# Altium PCB pcb.PcbDoc (part 1 of 4) (continued)
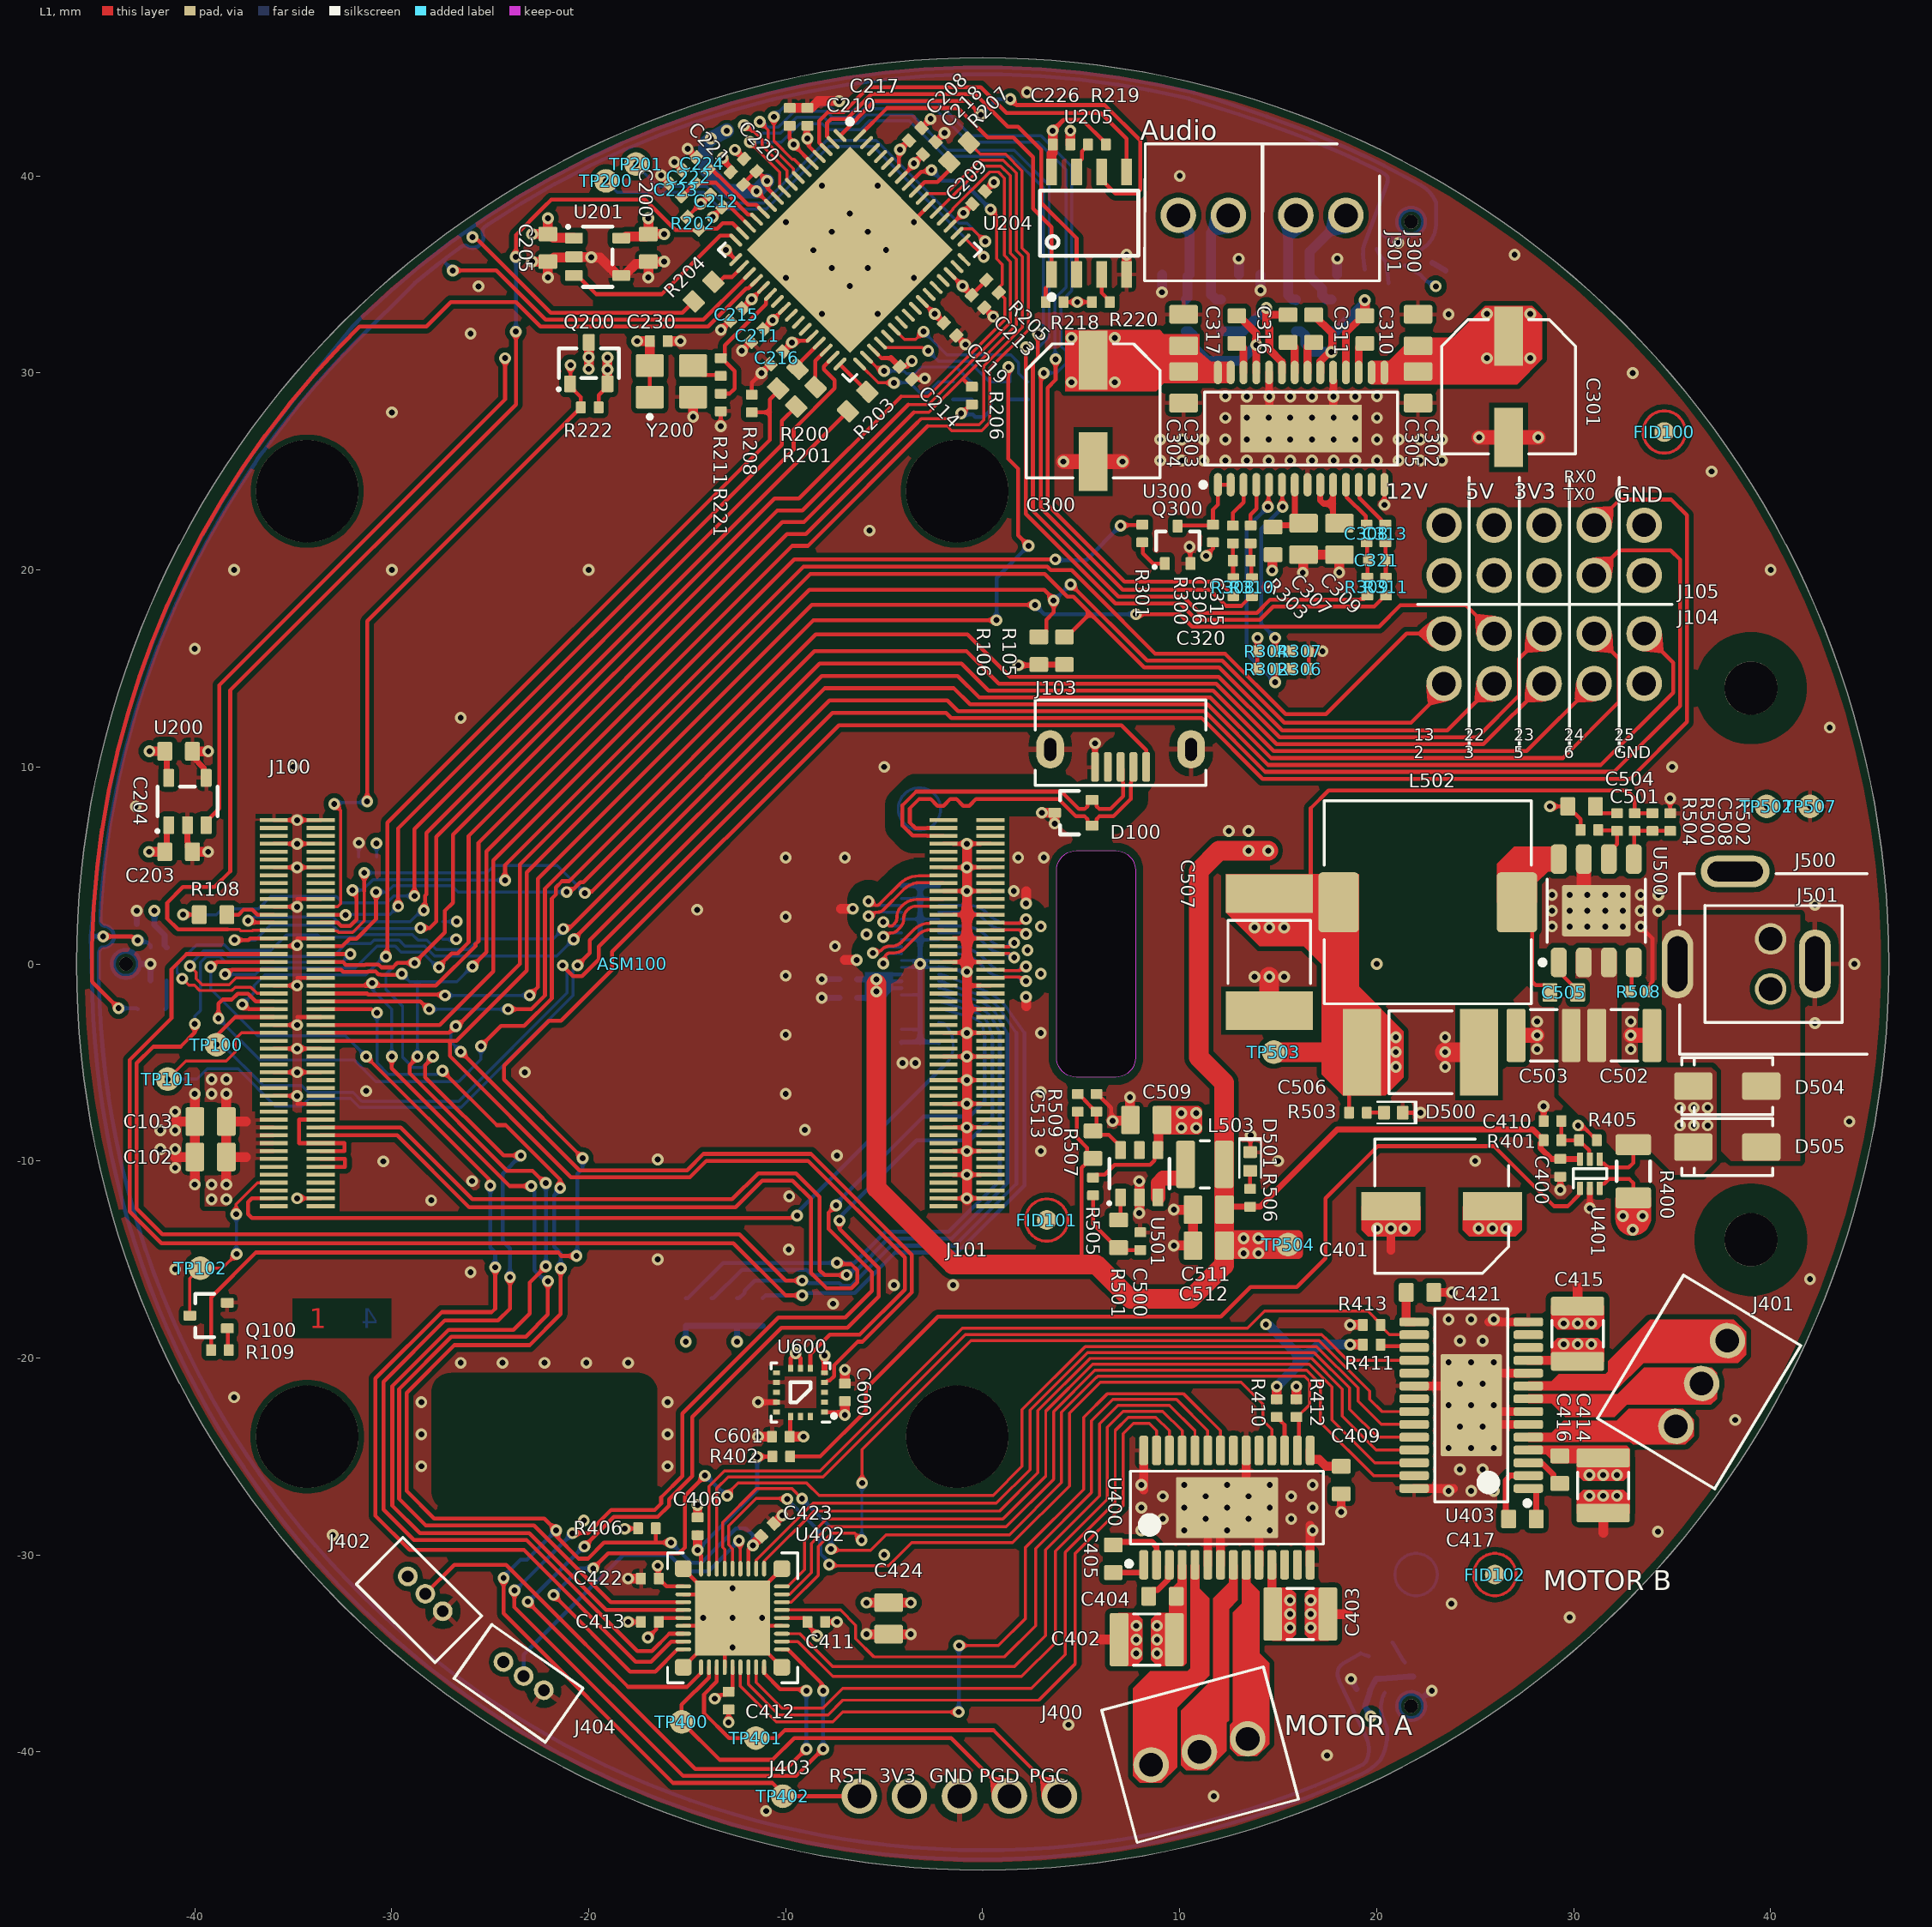
[diagram p0: L1 view]
## Components (designator, comment, footprint, x,y, rotation, side; value= is the part's Value field where it differs from the comment) (continued)
R413 "RC0402FR-0710KL" RESC1005X40L 19.75,-18.325 r0 top
R500 "RC0402FR-0743KL" RESC1005X40L 33.1,7.2 r90 top
R501 "RC0603FR-0722RL" RESC1608X55L 6.9,-13.7 r90 top
R502 "RC0402FR-078K2L" RESC1005X40L 34.9,7.2 r270 top
R503 "RC0402JR-071KL" RESC1005X40L 19.05,-7.55 r180 top
R504 "RC0402FR-0715KL" RESC1005X40L 32.2,7.2 r270 top
R505 "RC0402FR-0710KL" RESC1005X40L 5.6,-11.3 r90 top
R506 "RC0402JR-071KL" RESC1005X40L 13.575,-11.875 r270 top
R507 "RC0603FR-07453KL" RESC1608X55L 5.599,-9.175 r270 top
R508 "RC0402FR-07200KL" RESC1005X40L 33.3,-1.4 r180 top
R509 "RC0402FR-07100KL" RESC1005X40L 5.774,-7.049 r270 top
TP100 "TESTPAD" "TP 1.2mm" -38.9,-4.1 r90 top
TP101 "TESTPAD" "TP 1.2mm" -41.375,-5.85 r90 top
TP102 "TESTPAD" "TP 1.2MM" -39.725,-15.45 r0 top
TP200 "TESTPAD" "TP 1.2mm" -19.125,39.75 r0 top
TP201 "TESTPAD" "TP 1.2mm" -17.6,40.6 r0 top
TP400 "TESTPAD" "TP 1.2mm" -15.285,-38.475 r0 top
TP401 "TESTPAD" "TP 1.2mm" -11.525,-39.3 r0 top
TP402 "TESTPAD" "TP 1.2mm" -10.15,-42.25 r0 top
TP502 "TESTPAD" "TP 1.2mm" 39.8,8 r0 top
TP503 "TESTPAD" "TP 1.2mm" 14.775,-4.475 r0 top
TP504 "TESTPAD" "TP 1.2mm" 15.5,-14.25 r0 top
TP507 "TESTPAD" "TP 1.2mm" 42,8 r0 top
U200 "TLV70233DBV" SOT95P280X145-5L -40.373,8.244 r90 top
U201 "TLV70212DBV" SOT95P280X145-5L -19.55,35.896 r0 top
U204 "ZL38063LDG1" QFN50P900X900X100_HS-65L -6.746,36.25 r315 top
U205 "AT25FF041A-SSHN-T" SOIC127P600X175-8L 5.4,37.6 r90 top
U300 "TPA3113D2PWPR" TSOP65P640X120_HS-29L 16.164,27.175 r90 top
U400 "DRV8313PWP" SOP65P640X110-HS52x31-29L 12.4,-27.6 r90 top
U401 "INA185A1IDR" SOT50P160X120X60_6L 30.825,-10.65 r90 top
U402 "dsPIC33CK32MP503" QFN40P500X500X60-36_41L -12.7,-33.2 r270 top
U403 "DRV8313PWP" SOP65P640X110-HS52x31-29L 24.8,-22.4 r180 top
U500 "AP64350" SOIC127P600X170_HS350X261-9L 31.15,2.7 r90 top
U501 "TLV62569PDDC" SOT95P280X110-6L 7.95,-10.65 r90 top
U600 "LIS3DH" LGA16R50P5X3_300X300X100 -9.25,-21.75 r180 top
Y200 "MCSJK-3N-12.00-3.3-50-C" OSCCC320X250X100L -15.802,29.574 r0 top

## Footprints (in the part's own frame and the unit in brackets; to place one, negate y for a bottom-side part, rotate by r counter-clockwise, add the part's x,y. Pads: shape width x height; smd on the part's side, far side on the other; paste and mask are expansions set on the pad)
CAPAE660X60L [mm] "Aluminum Electrolytic Capacitor, Body 6,60x6,60x6,00mm, IPC High Density"
  rect 3x1.45 smd: 1(-2.575,0) 2(2.575,0)
  silkscreen extent -3.4,-3.4 3.4,3.4, body extent -3.65,-3.4 3.65,3.4, height 6
CAPC1005X60L [mm] "Capacitor,non-polarized,Chip;1.025mm L X 0.525mm W X 0.60mm H, EIA 0402, METRIC 1005"
  rrect20% 0.5x0.6 smd: 1(-0.45,0) 2(0.45,0)
  body extent -0.52,-0.27 0.53,0.28, height 0.55
CAPC1608X90L [mm] "Capacitor,non-polarized,Chip;1.60mm L X 0.80mm W X 0.90mm H, EIA 0603, METRIC 1608"
  rrect20% 0.75x0.95 smd: 1(-0.7,0) 2(0.7,0)
  body extent -0.85,-0.45 0.85,0.45, height 0.9
CAPC2013X145L [mm] "Capacitor,non-polarized,Chip;2.00mm L X 1.25mm W X 1.45mm H, EIA 0805, METRIC 2013"
  rrect20% 0.95x1.45 smd: 1(-0.8,0) 2(0.8,0)
  body extent -1.1,-0.72 1.1,0.73, height 1.45
CAPC3225X270L [mm] "Capacitor,non-polarized,Chip;3.20mm L X 2.50mm W X 2.70mm H, EIA 1210, METRIC 3225"
  rrect20% 0.95x2.7 smd: 1(-1.4,0) 2(1.4,0)
  silkscreen extent -0.67,-1.3 0.67,1.3, body extent -1.7,-1.35 1.7,1.35, height 2.7
CAPMP7343X20L [mm] "Chip Capacitor, 2-Leads, Body 7,30x4,30mm, IPC High Density"
  rect 1.95x4.4 smd: 1(-2.975,0) 2(2.975,0)
  silkscreen extent -1.6,-2.1 1.6,2.1, body extent -3.65,-2.15 3.65,2.15, height 1.9
DF40HC(3.0)-100DS-0.4V [mm] "Hirose DF40 Series Connector"
  rect 0.2x1.43 smd: 1(9.8,1.19) 2(9.8,-1.19) 3(9.4,1.19) 4(9.4,-1.19) 5(9,1.19) 6(9,-1.19) 7(8.6,1.19) 8(8.6,-1.19) 9(8.2,1.19) 10(8.2,-1.19) 11(7.8,1.19) 12(7.8,-1.19) 13(7.4,1.19) 14(7.4,-1.19) 15(7,1.19) 16(7,-1.19) 17(6.6,1.19) 18(6.6,-1.19) 19(6.2,1.19) 20(6.2,-1.19) 21(5.8,1.19) 22(5.8,-1.19) 23(5.4,1.19) 24(5.4,-1.19) 25(5,1.19) 26(5,-1.19) 27(4.6,1.19) 28(4.6,-1.19) 29(4.2,1.19) 30(4.2,-1.19) 31(3.8,1.19) 32(3.8,-1.19) 33(3.4,1.19) 34(3.4,-1.19) 35(3,1.19) 36(3,-1.19) 37(2.6,1.19) 38(2.6,-1.19) 39(2.2,1.19) 40(2.2,-1.19) 41(1.8,1.19) 42(1.8,-1.19) 43(1.4,1.19) 44(1.4,-1.19) 45(1,1.19) 46(1,-1.19) 47(0.6,1.19) 48(0.6,-1.19) 49(0.2,1.19) 50(0.2,-1.19) 51(-0.2,1.19) 52(-0.2,-1.19) 53(-0.6,1.19) 54(-0.6,-1.19) 55(-1,1.19) 56(-1,-1.19) 57(-1.4,1.19) 58(-1.4,-1.19) 59(-1.8,1.19) 60(-1.8,-1.19) 61(-2.2,1.19) 62(-2.2,-1.19) 63(-2.6,1.19) 64(-2.6,-1.19) 65(-3,1.19) 66(-3,-1.19) 67(-3.4,1.19) 68(-3.4,-1.19) 69(-3.8,1.19) 70(-3.8,-1.19) 71(-4.2,1.19) 72(-4.2,-1.19) 73(-4.6,1.19) 74(-4.6,-1.19) 75(-5,1.19) 76(-5,-1.19) 77(-5.4,1.19) 78(-5.4,-1.19) 79(-5.8,1.19) 80(-5.8,-1.19) 81(-6.2,1.19) 82(-6.2,-1.19) 83(-6.6,1.19) 84(-6.6,-1.19) 85(-7,1.19) 86(-7,-1.19) 87(-7.4,1.19) 88(-7.4,-1.19) 89(-7.8,1.19) 90(-7.8,-1.19) 91(-8.2,1.19) 92(-8.2,-1.19) 93(-8.6,1.19) 94(-8.6,-1.19) 95(-9,1.19) 96(-9,-1.19) 97(-9.4,1.19) 98(-9.4,-1.19) 99(-9.8,1.19) 100(-9.8,-1.19)
  body extent -11.3,-1.69 11.3,1.69, height 2.9
DIOM4326X250L [mm] "Molded Diode, 2-Leads, Body 4,33x2,56mm, IPC High Density"
  rrect20% 1.95x1.4 smd: A(1.725,0) K(-1.725,0)
  silkscreen extent -2.3,-1.45 2.3,1.45, body extent -2.52,-1.42 2.52,1.42, height 2.5
"FIDUCIAL 2MM" [mm]
  round 1 smd paste-0.5 mask+0.5: 0(0,0)
  L1 circle w0.15: c0,0 r1.075
"Goldpin 2.54 1x5" [mm]
  round 1.8 hole 1.2: 1(-5.08,0) 2(-2.54,0) 3(0,0) 4(2.54,0) 5(5.08,0)
  body extent -6.35,-1.25 6.35,1.25, height 8.6
"GOLDPIN 2.54 2X5" [mm]
  round 1.8 hole 1.2: 1(-5.08,-1.27) 2(-5.08,1.27) 3(-2.54,-1.27) 4(-2.54,1.27) 5(0,-1.27) 6(0,1.27) 7(2.54,-1.27) 8(2.54,1.27) 9(5.08,-1.27) 10(5.08,1.27)
  body extent -6.35,-2.42 6.35,2.4, height 8.39
IND2510X10L [mm]
  rrect20% 0.95x2.4 smd: 1(-0.975,0) 2(0.975,0)
  silkscreen extent -0.22,-1.2 0.23,1.2, body extent -1.25,-1 1.25,1, height 0.99
IND102100X51L [mm] "Precision Wire Wound Inductor, 2-Leads, Body 10,20x10,00mm, IPC High Density"
  rrect20% 2.05x3.05 smd: 1(-4.525,0) 2(4.525,0)
  silkscreen extent -5.25,-5.15 5.25,5.15, body extent -5.1,-5.2 5.1,5, height 4.8
INDC2013X105L [mm] "Inductor, Chip; 2.00mm L X 1.25mm W X 1.05mm H, EIA 0805, METRIC 2013"
  rrect20% 0.95x1.45 smd: 1(-0.8,0) 2(0.8,0)
  body extent -1,-0.62 1,0.63, height 1.05
"KNOWLES SPH0655LM4H-1"#1 [mm]
  round 0.7 hole 0.7 unplated paste+0 mask+0.1: 0(0,-0.71)
  rrect20% 0.725x0.522 smd: 1(-0.837,1.364) 2(-0.837,0.542) 4(0.837,0.542) 5(0.837,1.364)
  rrect20% 0.1x0.1 smd paste-5 mask+0: 3(-0.59,-0.717) 3(0,-1.317) 3(0.59,-0.717)
  L1 lines w0.3: -0.014,-0.048 ccw(c0,-0.71) -0.332,-1.284 ccw(c0,-0.71) -0.014,-0.048
  silkscreen extent -1.45,-1.88 1.45,1.88, body extent -1.33,-1.75 1.33,1.75, height 1.1
"KNOWLES SPH0655LM4H-1"#2 [mm]
  round 0.7 hole 0.7 unplated paste+0 mask+0.15: 0(0,-0.71)
  rrect20% 0.725x0.522 smd: 1(-0.837,1.364) 2(-0.837,0.542) 4(0.837,0.542) 5(0.837,1.364)
  rrect20% 0.1x0.1 smd paste-5 mask+0: 3(-0.59,-0.717) 3(0,-1.317) 3(0.59,-0.717)
  L1 lines w0.3: 0.331,-1.284 ccw(c0,-0.71) 0,-0.047 ccw(c0,-0.71) 0.331,-1.284
  silkscreen extent -1.45,-1.88 1.45,1.88, body extent -1.32,-1.75 1.33,1.75, height 1.1
"KNOWLES SPH0655LM4H-1"#3 [mm]
  round 0.7 hole 0.7 unplated paste+0 mask+0.15: 0(0,-0.71)
  rrect20% 0.725x0.522 smd: 1(-0.838,1.364) 2(-0.837,0.542) 4(0.837,0.542) 5(0.837,1.364)
  rrect20% 0.1x0.1 smd paste-5 mask+0: 3(-0.59,-0.717) 3(0,-1.317) 3(0.59,-0.717)
  L1 lines w0.3: 0.468,-1.178 cw(c0,-0.71) -0.657,-0.621 ; 0.468,-1.178 cw(c0,-0.71) -0.657,-0.621 ; 0.468,-1.178 ccw(c0,-0.71) -0.657,-0.621 ; 0.468,-1.178 ccw(c0,-0.71) -0.657,-0.621
  silkscreen extent -1.45,-1.87 1.45,1.88, body extent -1.33,-1.75 1.33,1.75, height 1.1
LEDSC100X50X35-2L [mm]
  rrect20% 0.6x0.7 smd: A(-0.475,0) K(0.475,0)
  silkscreen extent -0.82,-0.55 1.17,0.55, body extent -0.5,-0.25 0.5,0.25, height 0.32
LGA16R50P5X3_300X300X100 [mm] "LGA, 16- Leads, Body 3,00x3,00mm, Pitch 0,50mm, IPC High Density"
  rect 0.35x0.25 smd: 1(-1.225,1) 2(-1.225,0.5) 3(-1.225,0) 4(-1.225,-0.5) 5(-1.225,-1) 9(1.225,-1) 10(1.225,-0.5) 11(1.225,0) 12(1.225,0.5) 13(1.225,1)
  rect 0.25x0.35 smd: 6(-0.5,-1.225) 7(0,-1.225) 8(0.5,-1.225) 14(0.5,1.225) 15(0,1.225) 16(-0.5,1.225)
  silkscreen extent -1.8,-1.5 1.5,1.5, body extent -1.57,-1.57 1.57,1.57, height 0.99
"MOLEX 53047-0310" [mm]
  round 1 hole 0.6: 1(-1.25,0) 2(0,0) 3(1.25,0)
  silkscreen extent -2.82,-2.13 2.83,1.23, body extent -2.75,-2.05 2.75,1.15, height 4.21
"MOLEX 5046184012" [mm]
  rrect20% 0.18x0.4 smd paste-0.01: 1(-3.325,-0.95) 2(-3.325,0.95) 3(-2.975,-0.95) 4(-2.975,0.95) 5(-2.625,-0.95) 6(-2.625,0.95) 7(-2.275,-0.95) 8(-2.275,0.95) 9(-1.925,-0.95) 10(-1.925,0.95) 11(-1.575,-0.95) 12(-1.575,0.95) 13(-1.225,-0.95) 14(-1.225,0.95) 15(-0.875,-0.95) 16(-0.875,0.95) 17(-0.525,-0.95) 18(-0.525,0.95) 19(-0.175,-0.95) 20(-0.175,0.95) 21(0.175,-0.95) 22(0.175,0.95) 23(0.525,-0.95) 24(0.525,0.95) 25(0.875,-0.95) 26(0.875,0.95) 27(1.225,-0.95) 28(1.225,0.95) 29(1.575,-0.95) 30(1.575,0.95) 31(1.925,-0.95) 32(1.925,0.95) 33(2.275,-0.95) 34(2.275,0.95) 35(2.625,-0.95) 36(2.625,0.95) 37(2.975,-0.95) 38(2.975,0.95) 39(3.325,-0.95) 40(3.325,0.95)
  rrect20% 0.455x0.33 smd: 41(-3.98,-0.945) 42(3.98,-0.945) 43(3.98,0.945) 44(-3.98,0.945)
  silkscreen extent -4.9,-1.2 4.9,1.2, body extent -4.57,-1 4.57,1, height 0.58
"NINIGI PC-GK2.1" [mm]
  oval 3.5x1.6 hole 1 slot 2.8 at 0 deg: 1(0,6.725) 2(0,-0.25)
  oval 1.6x3.5 hole 1 slot 2.8 at 90 deg: 3(4.7,3.8)
  silkscreen extent -4.57,-2.9 4.57,6.63, body extent -4.5,-6.95 4.9,6.95, height 10.99
OSCCC320X250X100L [mm] "Oscillator, Corner Concave, 3.20mm L X 2.50mm W X 1.0mm H, METRIC 3225"
  rrect10% 1.4x1.15 smd: 1(-1.1,-0.8) 2(1.1,-0.8) 3(1.1,0.8) 4(-1.1,0.8)
  silkscreen extent -1.2,-1.9 -1,-1.7, body extent -1.6,-1.24 1.6,1.24, height 0.99
QFN40P500X500X60-36_41L [mm]
  oval 0.8x0.2 smd: 1(-2.5,1.6) 2(-2.5,1.2) 3(-2.5,0.8) 4(-2.5,0.4) 5(-2.5,0) 6(-2.5,-0.4) 7(-2.5,-0.8) 8(-2.5,-1.2) 9(-2.5,-1.6) 19(2.5,-1.6) 20(2.5,-1.2) 21(2.5,-0.8) 22(2.5,-0.4) 23(2.5,0) 24(2.5,0.4) 25(2.5,0.8) 26(2.5,1.2) 27(2.5,1.6)
  oval 0.2x0.8 smd: 10(-1.6,-2.5) 11(-1.2,-2.5) 12(-0.8,-2.5) 13(-0.4,-2.5) 14(0,-2.5) 15(0.4,-2.5) 16(0.8,-2.5) 17(1.2,-2.5) 18(1.6,-2.5) 28(1.6,2.5) 29(1.2,2.5) 30(0.8,2.5) 31(0.4,2.5) 32(0,2.5) 33(-0.4,2.5) 34(-0.8,2.5) 35(-1.2,2.5) 36(-1.6,2.5)
  rect 3.8x3.8 smd paste-1.9 mask+0: 37(0,0)
  rrect40% 0.85x0.85 smd: 38(-2.5,2.5) 39(-2.5,-2.5) 40(2.5,-2.5) 41(2.5,2.5)
  silkscreen extent -3.3,-3.3 3.3,3.3, body extent -2.51,-2.51 2.51,2.51, height 0.65
QFN50P900X900X100_HS-65L [mm] "QFN, 64-Leads, Body 9,00x9,00mm, Pitch 0,50mm, Thermal Pad 7,40x7,40mm, IPC High Density"
  oval 0.85x0.2 smd: 1(-4.45,3.75) 2(-4.45,3.25) 3(-4.45,2.75) 4(-4.45,2.25) 5(-4.45,1.75) 6(-4.45,1.25) 7(-4.45,0.75) 8(-4.45,0.25) 9(-4.45,-0.25) 10(-4.45,-0.75) 11(-4.45,-1.25) 12(-4.45,-1.75) 13(-4.45,-2.25) 14(-4.45,-2.75) 15(-4.45,-3.25) 16(-4.45,-3.75) 33(4.45,-3.75) 34(4.45,-3.25) 35(4.45,-2.75) 36(4.45,-2.25) 37(4.45,-1.75) 38(4.45,-1.25) 39(4.45,-0.75) 40(4.45,-0.25) 41(4.45,0.25) 42(4.45,0.75) 43(4.45,1.25) 44(4.45,1.75) 45(4.45,2.25) 46(4.45,2.75) 47(4.45,3.25) 48(4.45,3.75)
  oval 0.2x0.85 smd: 17(-3.75,-4.45) 18(-3.25,-4.45) 19(-2.75,-4.45) 20(-2.25,-4.45) 21(-1.75,-4.45) 22(-1.25,-4.45) 23(-0.75,-4.45) 24(-0.25,-4.45) 25(0.25,-4.45) 26(0.75,-4.45) 27(1.25,-4.45) 28(1.75,-4.45) 29(2.25,-4.45) 30(2.75,-4.45) 31(3.25,-4.45) 32(3.75,-4.45) 49(3.75,4.45) 50(3.25,4.45) 51(2.75,4.45) 52(2.25,4.45) 53(1.75,4.45) 54(1.25,4.45) 55(0.75,4.45) 56(0.25,4.45) 57(-0.25,4.45) 58(-0.75,4.45) 59(-1.25,4.45) 60(-1.75,4.45) 61(-2.25,4.45) 62(-2.75,4.45) 63(-3.25,4.45) 64(-3.75,4.45)
  rect 7.4x7.4 smd paste-3.7: 65(0,0)
  silkscreen extent -4.73,-4.73 4.73,4.72, body extent -4.59,-4.58 4.58,4.59, height 1
"RASPBERRY PI CM4 EMMC" [mm]
  round 5.2 hole 5.2 unplated: 0(-24,-16.5) 0(24,-16.5)
  round 5.2 hole 5.2: 0(-24,16.5) 0(24,16.5)
  body extent -27.5,-20 27.5,20, height 6.6
RESC1005X40L [mm] "Resistor,Chip;1.00mm L X 0.50mm W X 0.40mm H, EIA 0402, METRIC 1005"
  rrect20% 0.5x0.6 smd: 1(-0.45,0) 2(0.45,0)
  body extent -0.5,-0.25 0.5,0.25, height 0.4
RESC1608X55L [mm]
  rrect20% 0.75x0.95 smd: 1(-0.7,0) 2(0.7,0)
  body extent -0.85,-0.45 0.85,0.45, height 0.55
RESC3216X65L [mm] "Resistor,Chip;3.20mm L X 1.60mm W X 0.65mm H, EIA 1206, METRIC 3216"
  rrect20% 1.05x1.8 smd: 1(-1.35,0) 2(1.35,0)
  silkscreen extent -0.5,-0.85 0.5,0.85, body extent -1.6,-0.8 1.6,0.8, height 0.65
SOIC127P600X170_HS350X261-9L [mm] "SOIC, 8-Leads, Body 4,90x3,90mm, Pitch 1,27mm, Thermal Pad 3,50x2,60mm, IPC High Density"
  rrect50% 1.5x0.8 smd: 1(-2.625,1.905) 2(-2.625,0.635) 3(-2.625,-0.635) 4(-2.625,-1.905) 5(2.625,-1.905) 6(2.625,-0.635) 7(2.625,0.635) 8(2.625,1.905)
  rrect10% 2.61x3.5 smd mask+0: 9(0,0)
  silkscreen extent -2.75,-2.5 1.6,2.85, body extent -3,-2.5 3,2.5, height 1.7
SOIC127P600X175-8L [mm] "SOIC 8, Pitch 1.27mm - Body 4x5mm, IPC High Density"
  rrect10% 1.35x0.55 smd: 1(-2.6,1.905) 2(-2.6,0.635) 3(-2.6,-0.635) 4(-2.6,-1.905) 5(2.6,-1.905) 6(2.6,-0.635) 7(2.6,0.635) 8(2.6,1.905)
  silkscreen extent -3.87,-2.5 1.65,2.5, body extent -3.1,-2.5 3.1,2.5, height 1.75
SOP65P640X110-HS52x31-29L [mm] "TSOP, 28-Leads, Body 9,70x4,40mm, Pitch 0,65mm, IPC High Density"
  rrect50% 1.5x0.45 smd: 1(-2.9,4.225) 2(-2.9,3.575) 3(-2.9,2.925) 4(-2.9,2.275) 5(-2.9,1.625) 6(-2.9,0.975) 7(-2.9,0.325) 8(-2.9,-0.325) 9(-2.9,-0.975) 10(-2.9,-1.625) 11(-2.9,-2.275) 12(-2.9,-2.925) 13(-2.9,-3.575) 14(-2.9,-4.225) 15(2.9,-4.225) 16(2.9,-3.575) 17(2.9,-2.925) 18(2.9,-2.275) 19(2.9,-1.625) 20(2.9,-0.975) 21(2.9,-0.325) 22(2.9,0.325) 23(2.9,0.975) 24(2.9,1.625) 25(2.9,2.275) 26(2.9,2.925) 27(2.9,3.575) 28(2.9,4.225)
  rrect5% 3.1x5.18 smd: 29(0,0)
  silkscreen extent -2.97,-4.9 1.85,5.1, body extent -3.2,-4.9 3.2,4.9, height 1.1
SOT50P160X120X60_6L [mm]
  rrect20% 0.67x0.3 smd: 1(-0.74,0.5) 2(-0.74,0) 3(-0.74,-0.5) 4(0.74,-0.5) 5(0.74,0) 6(0.74,0.5)
  silkscreen extent -0.72,-0.85 0.25,0.85, body extent -0.77,-0.85 0.77,0.85, height 0.6
SOT65P210X110-3L [mm] "SOT323, SC70-3, 3-Leads, Body (max) 2.1x1.35mm, Pitch 0.65mm"
  rrect20% 0.65x0.5 smd: 1(-0.95,0.65) 2(-0.95,-0.65) 3(0.95,0)
  silkscreen extent -0.28,-1.1 0.67,1.1, body extent -1.12,-1.1 1.12,1.1, height 1.1
SOT95P240X110-3L [mm] "SOT23-3L, JEDEC TO-236AB, 3-Leads, Body (max) 3.0x1.4mm, Pitch 0.95mm"
  rrect20% 0.85x0.6 smd: 1(-1.05,0.95) 2(-1.05,-0.95) 3(1.05,0)
  silkscreen extent -1.37,-1.53 0.75,1.57, body extent -1.25,-1.5 1.25,1.5, height 1.09
SOT95P280X110-6L [mm] "SOT-23-6L, JEDEC MO-193AA, 6-Leads, Body (max) 3.05x1.75mm, Pitch 0.95mm"
  rrect20% 0.9x0.55 smd: 1(-1.2,0.95) 2(-1.2,0) 3(-1.2,-0.95) 4(1.2,-0.95) 5(1.2,0) 6(1.2,0.95)
  silkscreen extent -1.55,-1.53 0.75,1.57, body extent -1.41,-1.45 1.41,1.45, height 1
SOT95P280X145-5L [mm] "SOT23-5L,  JEDEC MO-178AA, 5-Leads, Body (max) 3.05x1.75mm, Pitch 0.95mm"
  rrect20% 0.9x0.55 smd: 1(-1.2,0.95) 2(-1.2,0) 3(-1.2,-0.95) 4(1.2,-0.95) 5(1.2,0.95)
  silkscreen extent -1.55,-1.53 0.75,1.57, body extent -1.4,-1.45 1.4,1.45, height 1.45
"TE 282834-2"#1 [mm]
  round 1.8 hole 1.2: 1(1.27,0) 2(-1.27,0)
  silkscreen extent -2.98,-3.62 2.98,3.32, body extent -2.77,-3.25 2.77,3.25, height 10.01
"TE 282834-2"#2 [mm]
  round 1.6 hole 1.2: 1(1.27,0) 2(-1.27,0)
  silkscreen extent -2.98,-3.62 2.98,3.32, body extent -2.77,-3.25 2.77,3.25, height 10.01
"TE 282834-3" [mm]
  round 1.8 hole 1.2: 1(-2.54,0) 2(0,0) 3(2.54,0)
  silkscreen extent -4.25,-3.62 4.25,3.32, body extent -4.04,-3.28 4.04,3.22, height 10.01
"TP 1.2mm" [mm] "1.2mm testpad"
  round 1.2 smd paste-3: 1(0,0)
  body extent -0.6,-0.6 0.6,0.6, height 0.01
"TP 1.2MM" [mm] "1.2mm testpad"
  round 1.2 smd paste-3: 1(0,0)
  body extent -0.6,-0.6 0.6,0.6, height 0.01
TSOP65P640X120_HS-29L [mm] "TSOP, 28-Leads, Body 9,70x4,40mm, Pitch 0,65mm, Thermal Pad 6,17x2,40mm, IPC High Density"
  oval 1.2x0.4 smd: 1(-2.85,4.225) 2(-2.85,3.575) 3(-2.85,2.925) 4(-2.85,2.275) 5(-2.85,1.625) 6(-2.85,0.975) 7(-2.85,0.325) 8(-2.85,-0.325) 9(-2.85,-0.975) 10(-2.85,-1.625) 11(-2.85,-2.275) 12(-2.85,-2.925) 13(-2.85,-3.575) 14(-2.85,-4.225) 15(2.85,-4.225) 16(2.85,-3.575) 17(2.85,-2.925) 18(2.85,-2.275) 19(2.85,-1.625) 20(2.85,-0.975) 21(2.85,-0.325) 22(2.85,0.325) 23(2.85,0.975) 24(2.85,1.625) 25(2.85,2.275) 26(2.85,2.925) 27(2.85,3.575) 28(2.85,4.225)
  rect 2.4x6.17 smd paste-3.1: 29(0,0)
  silkscreen extent -2.97,-4.9 1.85,5.1, body extent -3.2,-4.9 3.2,4.9, height 1.2
USB3140-30-0170-0-C [mm]
  rrect50% 0.4x1.5 smd: 1(-1.3,1.25) 2(-0.65,1.25) 3(0,1.25) 4(0.65,1.25) 5(1.3,1.25)
  oval 1.4x1.95 hole 0.6 slot 1.15 at 90 deg: MNT1(-3.575,0.36) MNT2(3.575,0.36)
  silkscreen extent -4.33,-2.15 4.33,2.17, body extent -3.7,-2.01 3.7,1.99, height 6.01

## Part data
ASM100: library part 439, "FAS SoM 1GB 8GB", 03 Manufacturer="Raspberry Pi", 00 Index=439, 01 Name="IC PROCESSOR CM4101008 Raspberry Pi", 02 MPN=CM4101008, 04 Main Group=IC, 05 Sub Group=PROCESSOR, 06 Assembly=FAS, 11 Parameter 4=SoM, 12 Parameter 5=1GB, 13 Parameter 6=8GB, 14 Modification Date=08.02.2021, ComponentLink1Description=DATASHEET, ComponentLink1URL=https://datasheets.raspberrypi.org/cm4/cm4-datasheet.pdf
C100 C101 C106 C107 C216 C220 C221 C223 C225 C226 C228 C229 C230 C306 C308 C313 C315 C411 C412 C413 C422: library part 154, "SMT 0402c 1uF 10V 10% X5R 10.2MHz 85'C", 03 Manufacturer=Samsung, 07 Package=0402c, 00 Index=154, 01 Name="CAPACITOR THICK FILM CL05A105KP5NNNC Samsung", 02 MPN=CL05A105KP5NNNC, 04 Main Group=CAPACITOR, 05 Sub Group="THICK FILM", 06 Assembly=SMT, 08 Parameter 1=1uF, 09 Parameter 2=10V, 10 Parameter 3=10%, 11 Parameter 4=X5R, 12 Parameter 5=10.2MHz, 13 Parameter 6=85'C, 14 Modification Date=16.11.2020, ComponentLink1Description=DATASHEET, ComponentLink1URL="E:\Praca\Mindsailors\Mindsailors Altium\Database Library\Datasheets\CAPACITOR\Samsung CL05A105KP5NNNC.pdf"
C102 C103 C424 C509 C511 C512: library part 81, "SMT 0805c 22uF 16V 20% X5R 1.6MHz 85'C", 03 Manufacturer=Samsung, 07 Package=0805c, 00 Index=81, 01 Name="CAPACITOR CERAMIC CL21A226MOQNNNE Samsung", 02 MPN=CL21A226MOQNNNE, 04 Main Group=CAPACITOR, 05 Sub Group=CERAMIC, 06 Assembly=SMT, 08 Parameter 1=22uF, 09 Parameter 2=16V, 10 Parameter 3=20%, 11 Parameter 4=X5R, 12 Parameter 5=1.6MHz, 13 Parameter 6=85'C, 14 Modification Date=16.11.2020, ComponentLink1Description=DATASHEET, ComponentLink1URL="E:\Praca\Mindsailors\Mindsailors Altium\Database Library\Datasheets\CAPACITOR\Samsung CL21A226MOQNNN.pdf"
C200 C203 C204 C205: library part 24, "SMT 0603c 1uF 16V 10% X5R 6.9MHz 85'C", 03 Manufacturer=Samsung, 07 Package=0603c, 00 Index=24, 01 Name="CAPACITOR CERAMIC CL10A105KO8NNNC Samsung", 02 MPN=CL10A105KO8NNNC, 04 Main Group=CAPACITOR, 05 Sub Group=CERAMIC, 06 Assembly=SMT, 08 Parameter 1=1uF, 09 Parameter 2=16V, 10 Parameter 3=10%, 11 Parameter 4=X5R, 12 Parameter 5=6.9MHz, 13 Parameter 6=85'C, 14 Modification Date=16.11.2020, ComponentLink1Description=DATASHEET, ComponentLink1URL="E:\Praca\Mindsailors\Mindsailors Altium\Database Library\Datasheets\CAPACITOR\Samsung CL10A105KO8NNNC.pdf"
C208 C209 C210 C211 C212 C213 C214 C215 C217 C218 C219 C222 C224 C400 C410 C423 C500: library part 138, "SMT 0402c 100nF 16V 10% X7R 25.8MHz 125'C", 03 Manufacturer=Samsung, 07 Package=0402c, 00 Index=138, 01 Name="CAPACITOR CERAMIC CL05B104KO5NNNC Samsung", 02 MPN=CL05B104KO5NNNC, 04 Main Group=CAPACITOR, 05 Sub Group=CERAMIC, 06 Assembly=SMT, 08 Parameter 1=100nF, 09 Parameter 2=16V, 10 Parameter 3=10%, 11 Parameter 4=X7R, 12 Parameter 5=25.8MHz, 13 Parameter 6=125'C, 14 Modification Date=16.11.2020, ComponentLink1Description=DATASHEET, ComponentLink1URL="E:\Praca\Mindsailors\Mindsailors Altium\Database Library\Datasheets\CAPACITOR\Samsung CL05B104KO5NNNC.pdf"
C300 C301 C401: library part 498, "SMT 6760m 82uF 25V 0,2 36mOhm 1.255A 125°", 03 Manufacturer=Kemet, 07 Package=6760m, 00 Index=498, 01 Name="CAPACITOR POLYMER A768EB826M1ELAE036 Kemet", 02 MPN=A768EB826M1ELAE036, 04 Main Group=CAPACITOR, 05 Sub Group=POLYMER, 06 Assembly=SMT, 08 Parameter 1=82uF, 09 Parameter 2=25V, 10 Parameter 3=0,2, 11 Parameter 4=36mOhm, 12 Parameter 5=1.255A, 13 Parameter 6=125°, 14 Modification Date=09.03.2021, 16 Replacements=25SVPK82M, ComponentLink1Description=DATASHEET, ComponentLink1URL=https://pl.mouser.com/datasheet/2/212/1/KEM_A4088_A768-1864506.pdf, Fotprint Directory=fot_ipc/, Library Directory=sym_basics/
C302 C303 C304 C305 C307 C309: library part 30, "SMT 0805c 1uF 50V 10% X7R 6.9MHz 125'C", 03 Manufacturer=Samsung, 07 Package=0805c, 00 Index=30, 01 Name="CAPACITOR CERAMIC CL21B105KBFNNNG Samsung", 02 MPN=CL21B105KBFNNNG, 04 Main Group=CAPACITOR, 05 Sub Group=CERAMIC, 06 Assembly=SMT, 08 Parameter 1=1uF, 09 Parameter 2=50V, 10 Parameter 3=10%, 11 Parameter 4=X7R, 12 Parameter 5=6.9MHz, 13 Parameter 6=125'C, 14 Modification Date=16.11.2020, ComponentLink1Description=DATASHEET, ComponentLink1URL="E:\Praca\Mindsailors\Mindsailors Altium\Database Library\Datasheets\CAPACITOR\Samsung CL21B105KBFNNNG.pdf"
C310 C311 C316 C317: library part 212, "SMT 0603c 470nF 25V 10% X7R 125°C", 03 Manufacturer=Samsung, 07 Package=0603c, 00 Index=212, 01 Name="CAPACITOR CERAMIC CL10B474KA8NNNC Samsung", 02 MPN=CL10B474KA8NNNC, 04 Main Group=CAPACITOR, 05 Sub Group=CERAMIC, 06 Assembly=SMT, 08 Parameter 1=470nF, 09 Parameter 2=25V, 10 Parameter 3=10%, 11 Parameter 4=X7R, 13 Parameter 6=125°C, 14 Modification Date=25.01.2021, ComponentLink1Description=DATASHEET, ComponentLink1URL=http://weblib.samsungsem.com/mlcc/mlcc-ec-data-sheet.do?partNumber=CL10B474KA8NNN
C312 C314 C318 C319: library part 191, "SMT 0603c 1nF 50V 10% X7R 125°C", 03 Manufacturer=Samsung, 07 Package=0603c, 00 Index=191, 01 Name="CAPACITOR CERAMIC CL10B102KB8NNNC Samsung", 02 MPN=CL10B102KB8NNNC, 04 Main Group=CAPACITOR, 05 Sub Group=CERAMIC, 06 Assembly=SMT, 08 Parameter 1=1nF, 09 Parameter 2=50V, 10 Parameter 3=10%, 11 Parameter 4=X7R, 13 Parameter 6=125°C, 14 Modification Date=25.01.2021, ComponentLink1Description=DATASHEET, ComponentLink1URL=http://weblib.samsungsem.com/mlcc/mlcc-ec-data-sheet.do?partNumber=CL10B102KB8NNN, Fotprint Directory=fot_ipc/, Library Directory=sym_basics/
C320 C321: library part 451, "SMT 0402c 10nF 50V 0,1 X7R 125°C", 03 Manufacturer=Samsung, 07 Package=0402c, 00 Index=451, 01 Name="CAPACITOR CERAMIC CL05B103KB5NNN Samsung", 02 MPN=CL05B103KB5NNN, 04 Main Group=CAPACITOR, 05 Sub Group=CERAMIC, 06 Assembly=SMT, 08 Parameter 1=10nF, 09 Parameter 2=50V, 10 Parameter 3=10%, 11 Parameter 4=X7R, 13 Parameter 6=125°C, 14 Modification Date=11.02.2021, ComponentLink1Description=DATASHEET, ComponentLink1URL=http://weblib.samsungsem.com/mlcc/mlcc-ec-data-sheet.do?partNumber=CL05B103KB5NNN
C402 C403 C414 C415 C502 C503: library part 259, "SMT 1210c 10uF 50V 10% X7R 125°C", 03 Manufacturer=Samsung, 07 Package=1210c, 00 Index=259, 01 Name="CAPACITOR CERAMIC CL32B106KBJNNNC Samsung", 02 MPN=CL32B106KBJNNNE, 04 Main Group=CAPACITOR, 05 Sub Group=CERAMIC, 06 Assembly=SMT, 08 Parameter 1=10uF, 09 Parameter 2=50V, 10 Parameter 3=10%, 11 Parameter 4=X7R, 13 Parameter 6=125°C, 14 Modification Date=25.01.2021, ComponentLink1Description=DATASHEET, ComponentLink1URL=http://weblib.samsungsem.com/mlcc/mlcc-ec-data-sheet.do?partNumber=CL32B106KBJNNN
C404 C416 C505: library part 164, "SMT 0603c 100nF 50V 10% X7R 125'C", 03 Manufacturer=Samsung, 07 Package=0603c, 00 Index=164, 01 Name="CAPACITOR CERAMIC CL10B104KB8NNNC Samsung", 02 MPN=CL10B104KB8NNNC, 04 Main Group=CAPACITOR, 05 Sub Group=CERAMIC, 06 Assembly=SMT, 08 Parameter 1=100nF, 09 Parameter 2=50V, 10 Parameter 3=10%, 11 Parameter 4=X7R, 13 Parameter 6=125'C, 14 Modification Date=21.12.2020, ComponentLink1Description=DATASHEET, ComponentLink1URL="E:\Praca\Mindsailors\Mindsailors Altium\Database Library\Datasheets\CAPACITOR\Samsung CL01B104KB8NNNC.pdf"
C405 C417: library part 192, "SMT 0603c 10nF 50V 10% X7R 125°C", 03 Manufacturer=Samsung, 07 Package=0603c, 00 Index=192, 01 Name="CAPACITOR CERAMIC CL10B103KB8NNNC Samsung", 02 MPN=CL10B103KB8NNNC, 04 Main Group=CAPACITOR, 05 Sub Group=CERAMIC, 06 Assembly=SMT, 08 Parameter 1=10nF, 09 Parameter 2=50V, 10 Parameter 3=10%, 11 Parameter 4=X7R, 13 Parameter 6=125°C, 14 Modification Date=25.01.2021, ComponentLink1Description=DATASHEET, ComponentLink1URL=http://weblib.samsungsem.com/mlcc/mlcc-ec-data-sheet.do?partNumber=CL10B103KB8NNN
C406: library part 990, "SMT 0402c 680pF 50V 0,05 C0G 229MHz 125'C", 03 Manufacturer=Kemet, 07 Package=0402c, 00 Index=990, 01 Name="CAPACITOR CERAMIC C0402C681J5GAC Kemet", 02 MPN=C0402C681J5GAC, 04 Main Group=CAPACITOR, 05 Sub Group=CERAMIC, 06 Assembly=SMT, 08 Parameter 1=680pF, 09 Parameter 2=50V, 10 Parameter 3=5%, 11 Parameter 4=C0G, 12 Parameter 5=229MHz, 13 Parameter 6=125'C, 14 Modification Date=16.03.2022, ComponentLink1Description=DATASHEET, ComponentLink1URL=https://www.kemet.com/en/us/capacitors/ceramic/kc-link/product/C0402C681J5GAC%7BBULK%7D.html, Fotprint Directory=fot_ipc/, Library Directory=sym_basics/
C409 C421: library part 193, "SMT 0603c 1uF 25V 10% X7R 125°C", 03 Manufacturer=Samsung, 07 Package=0603c, 00 Index=193, 01 Name="CAPACITOR CERAMIC CL10B105KA8NNNC Samsung", 02 MPN=CL10B105KA8NNNC, 04 Main Group=CAPACITOR, 05 Sub Group=CERAMIC, 06 Assembly=SMT, 08 Parameter 1=1uF, 09 Parameter 2=25V, 10 Parameter 3=10%, 11 Parameter 4=X7R, 13 Parameter 6=125°C, 14 Modification Date=25.01.2021, ComponentLink1Description=DATASHEET, ComponentLink1URL=http://weblib.samsungsem.com/mlcc/mlcc-ec-data-sheet.do?partNumber=CL10B105KA8NNN
C501 C508 C513: library part 137, "SMT 0402c 100pF 50V 5% C0G 814MHz 125'C", 03 Manufacturer=Murata, 07 Package=0402c, 00 Index=137, 01 Name="CAPACITOR CERAMIC GRM1555C1H101JA01D Murata", 02 MPN=GRM1555C1H101JA01D, 04 Main Group=CAPACITOR, 05 Sub Group=CERAMIC, 06 Assembly=SMT, 08 Parameter 1=100pF, 09 Parameter 2=50V, 10 Parameter 3=5%, 11 Parameter 4=C0G, 12 Parameter 5=814MHz, 13 Parameter 6=125'C, 14 Modification Date=16.11.2020, ComponentLink1Description=DATASHEET, ComponentLink1URL="E:\Praca\Mindsailors\Mindsailors Altium\Database Library\Datasheets\CAPACITOR\Murata GRM1555C1H101JA01D.pdf"